# Altium PCB radxa_cm3s_io_board_V1510.PcbDoc (part 1 of 4) (continued)
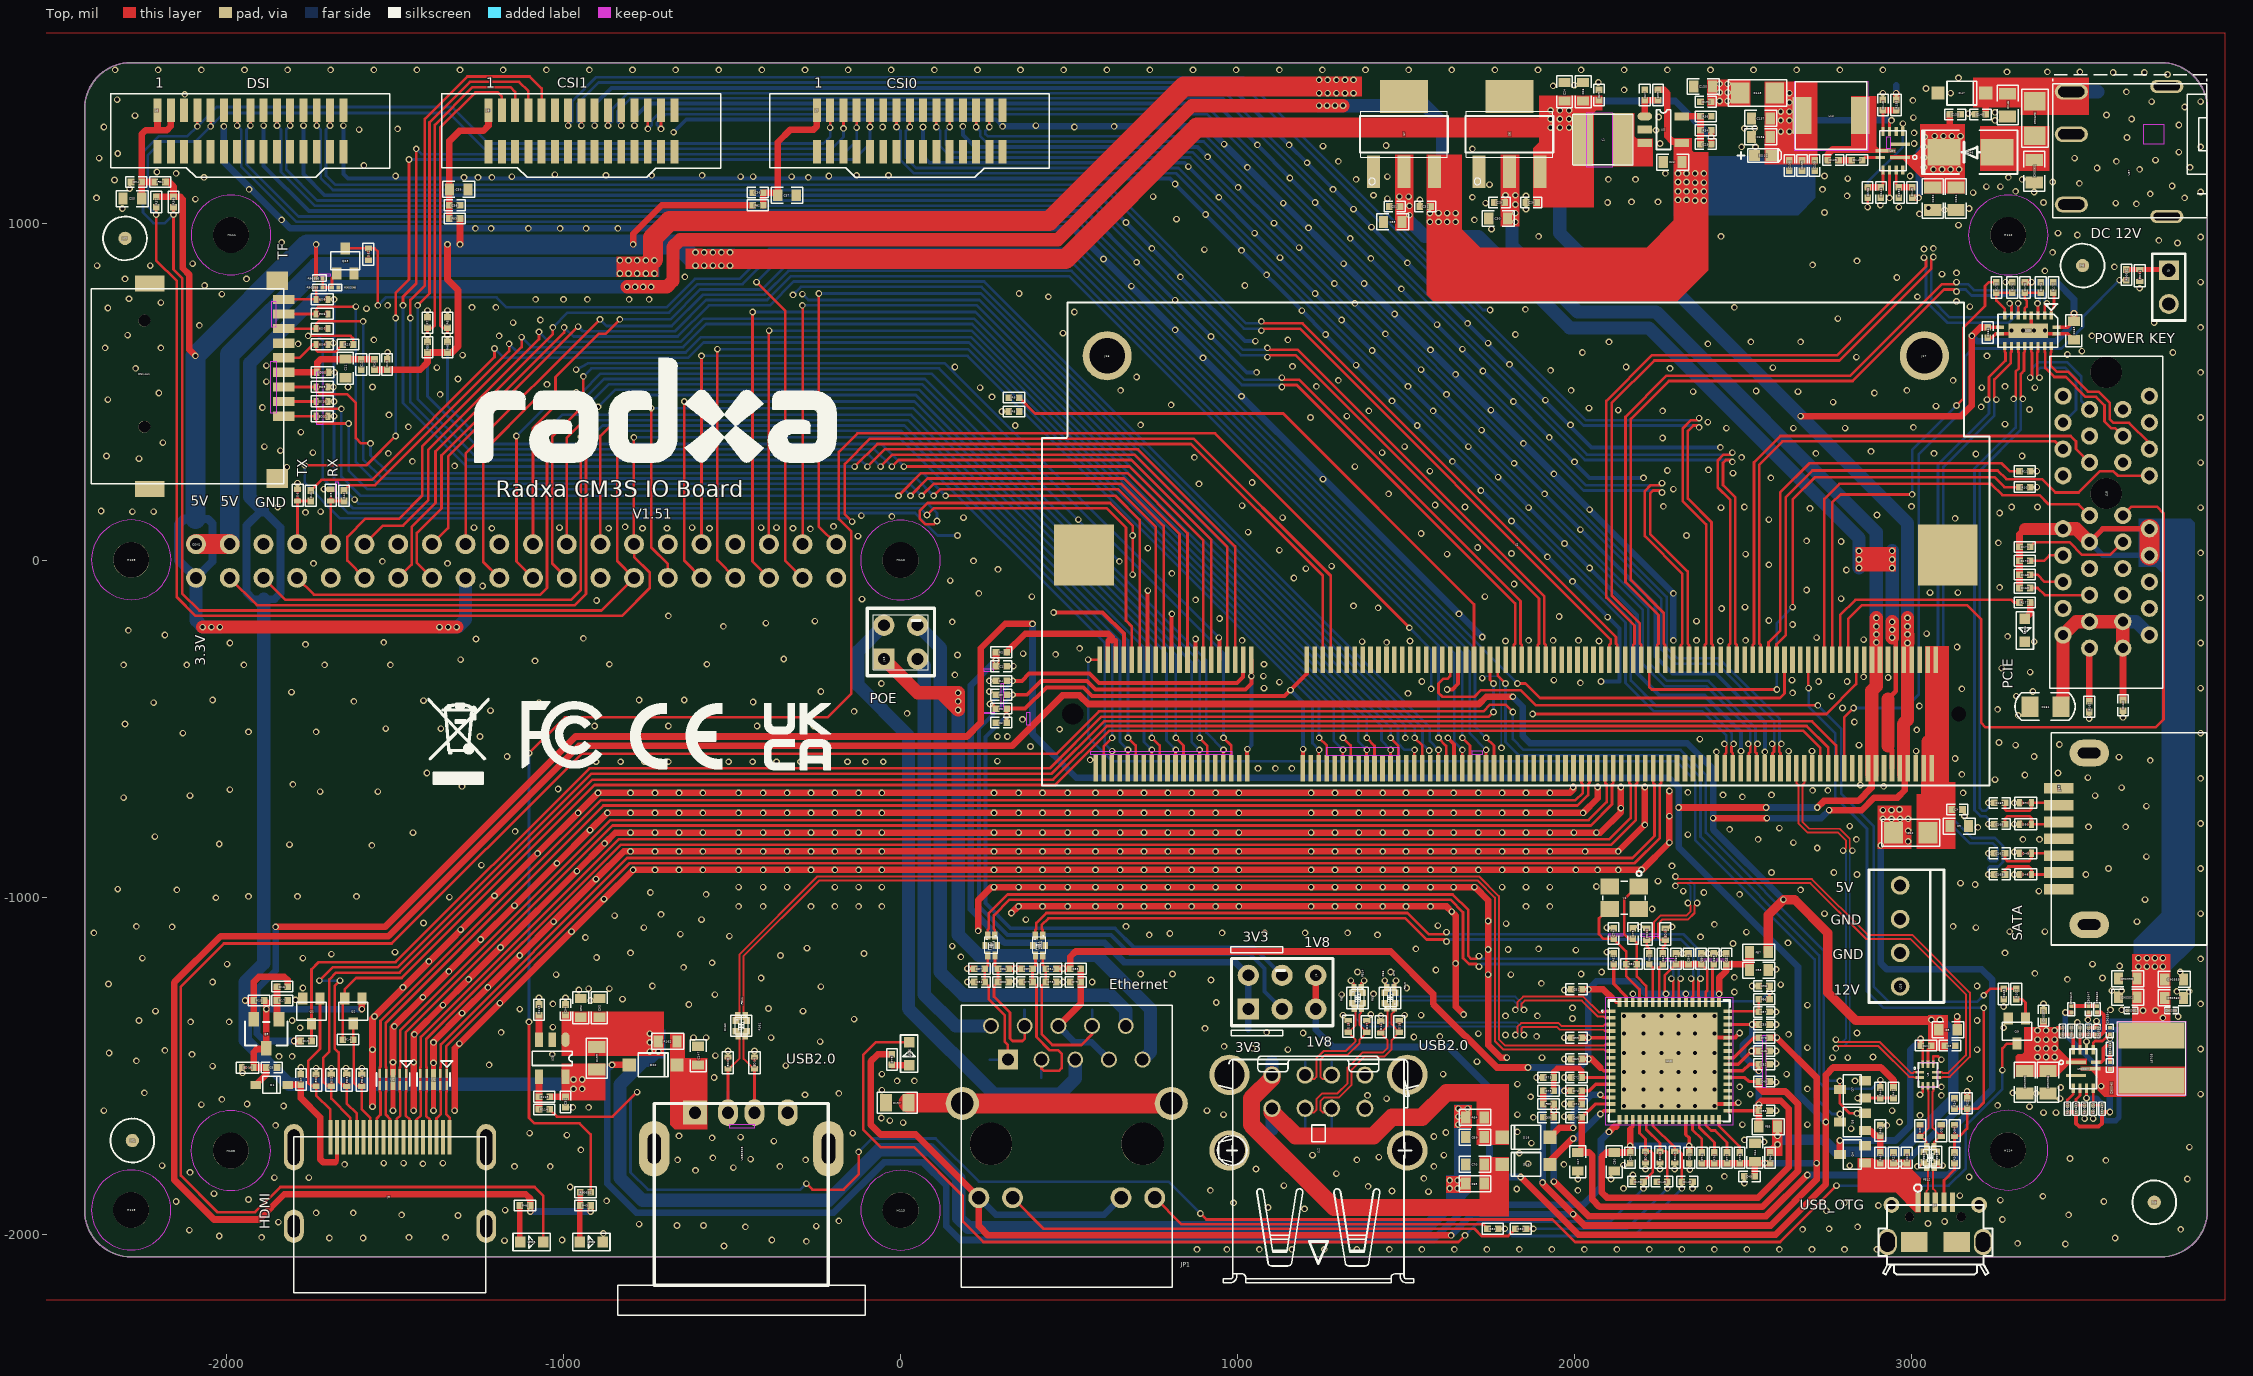
[diagram p0: Top view]
## Components (designator, comment, footprint, x,y, rotation, side; value= is the part's Value field where it differs from the comment) (continued)
C164 "C0402" C0402 3226.38,675.2 r270 top
C165 "C0402" C0402 3261.81,-720.47 r0 top
C166 "C0402" C0402 3261.81,-783.46 r0 top
C167 "C0402" C0402 3261.81,-870.08 r0 top
C168 "C0402" C0402 3261.81,-933.07 r0 top
C90345 "C0201" C0201 3588.58,-1500 r270 top
C90347 "C0201" C0201 3525.59,-1332.68 r90 top
C90350 "C0201" C0201 3551.18,-1397.64 r270 top
C90351 "C0201" C0201 3651.57,-1336.61 r180 top
C90352 "C0603" C0603 3641.73,-1297.24 r180 top
C90353 "C0603" C0603 3779.53,-1244.09 r0 top
C90354 "C0201" C0201 3588.58,-1397.64 r90 top
C90355 "C0805" C0805 3336.61,-1549.21 r270 top
C90356 "C0805" C0805 3405.51,-1549.21 r270 top
C90357 "C0402" C0402 3391.73,-1352.36 r90 top
C90358 "C0603" C0603 3641.73,-1242.13 r180 top
C90359 "C0201" C0201 3771.65,-1336.61 r0 top
C90360 "C0603" C0603 3779.53,-1299.21 r0 top
C90361 "C0805" C0805 3364.17,1153.54 r270 top
CN14A1 "TF-CKT01-009D" TF-CKT01-009D -2244.09,553.15 r180 top
CON1 "DIP40PIN_2D54MM" DIP40PIN_2D54MM -2090.55,47.24 r0 top
D1 "SOD_323" SOD_323 -1866.14,-1557.09 r0 top
D2 "ESD0402_1XD5" ESD0402_1XD5 3088.58,-1692.91 r270 top
D3 "ESD0402_1XD5" ESD0402_1XD5 3025.59,-1692.91 r270 top
D5 "ESD0402_1XD5" ESD0402_1XD5 -1690.94,192.91 r270 top
D6 "ESD0402_1XD5" ESD0402_1XD5 -1789.37,192.91 r270 top
D14 "ESD0402_1XD5" ESD0402_1XD5 1425.2,-1385.83 r90 top
D15 "ESD0402_1XD5" ESD0402_1XD5 1328.74,-1383.86 r90 top
D16 "ESD0402_1XD5" ESD0402_1XD5 1480.32,-1383.86 r270 top
D17 "ESD0402_1XD5" ESD0402_1XD5 1383.86,-1383.86 r270 top
D18 "SOD_123" SOD_123 1856.3,-1712.6 r180 top
D19 "SOD_123" SOD_123 1856.3,-1793.31 r180 top
D20 "SOD_123" SOD_123 -734.25,-1498.03 r0 top
D46 "DO_214AC" DO_214AC 3175.2,1210.63 r180 top
D47 "SOD_123" SOD_123 3149.61,1385.83 r0 top
D48 "ESD0402_1XD5" ESD0402_1XD5 3338.58,-933.07 r0 top
D49 "ESD0402_1XD5" ESD0402_1XD5 3338.58,-870.08 r0 top
D50 "ESD0402_1XD5" ESD0402_1XD5 3338.58,-783.46 r0 top
D51 "ESD0402_1XD5" ESD0402_1XD5 3338.58,-720.47 r0 top
D52 "ESD0402_1XD5" ESD0402_1XD5 -1578.74,907.48 r90 top
D53 "ESD0402_1XD5" ESD0402_1XD5 -1714.57,557.09 r180 top
D54 "ESD0402_1XD5" ESD0402_1XD5 3127.95,-1692.91 r270 top
ED1 "ESD0402_1XD5" ESD0402_1XD5 -1734.25,-1543.31 r90 top
ED2 "ESD0402_1XD5" ESD0402_1XD5 -1688.98,-1543.31 r90 top
ED3 "ESD0402_1XD5" ESD0402_1XD5 -1643.7,-1543.31 r90 top
ED4 "ESD0402_1XD5" ESD0402_1XD5 -1598.43,-1543.31 r90 top
ED5 "ESD0402_1XD5" ESD0402_1XD5 -1716.54,773.62 r0 top
ED6 "ESD0402_1XD5" ESD0402_1XD5 -1716.54,730.32 r0 top
ED7 "ESD0402_1XD5" ESD0402_1XD5 -1716.54,687.01 r0 top
ED8 "ESD0402_1XD5" ESD0402_1XD5 -1716.54,639.76 r0 top
ED9 "ESD0402_1XD5" ESD0402_1XD5 -1716.54,513.78 r0 top
ED10 "ESD0402_1XD5" ESD0402_1XD5 -1716.54,470.47 r0 top
ED11 "ESD0402_1XD5" ESD0402_1XD5 -1716.54,427.17 r0 top
ED12 "ESD0402" ESD0402 2559.06,1200.79 r180 top
ED13 "ESD0402_1XD5" ESD0402_1XD5 -511.81,-1492.13 r90 top
ED14 "ESD0402_1XD5" ESD0402_1XD5 -433.07,-1492.13 r90 top
ED15 "ESD0402_1XD5" ESD0402_1XD5 2297.24,-1771.65 r270 top
ED16 "ESD0402_1XD5" ESD0402_1XD5 2253.94,-1771.65 r270 top
ED17 "ESD0402_1XD5" ESD0402_1XD5 2210.63,-1771.65 r270 top
ED18 "ESD0402_1XD5" ESD0402_1XD5 -1937.01,-1505.91 r180 top
ED19 "ESD0402_1XD5" ESD0402_1XD5 2269.69,-1110.24 r90 top
ED20 "ESD0402_1XD5" ESD0402_1XD5 2214.57,-1110.24 r90 top
ED21 "ESD0402_1XD5" ESD0402_1XD5 3677.17,844.49 r270 top
FB1 "L0402" L0402 -2196.85,1122.05 r180 top
FB2 "L0402" L0402 -423.23,1053.15 r0 top
FB3 "L0402" L0402 -1322.83,1013.78 r180 top
FB4 "R0402" R0402 2580.71,-1773.62 r270 top
FB5 "R0603" R0603 2574.8,-1681.1 r180 top
FB6 "R0402" R0402 2562.99,-1303.15 r180 top
FB7 "R0603" R0603 2547.24,-1163.39 r180 top
FB8 "R0402" R0402 1923.23,-1614.17 r0 top
FB9 "GMDG-6PIN_ESD" GMDG-6PIN_ESD 269.69,-1143.7 r90 top
FB10 "GMDG-6PIN_ESD" GMDG-6PIN_ESD 411.42,-1143.7 r90 top
FB11 "GMDG-4PIN_ESD" GMDG-4PIN_ESD -482.28,-1407.48 r90 top
FB12 "GMDG-4PIN_ESD" GMDG-4PIN_ESD 3066.93,-1746.06 r270 top
FB13 "GMDG-4PIN_ESD" GMDG-4PIN_ESD 1464.57,-1273.62 r270 top
FB14 "GMDG-4PIN_ESD" GMDG-4PIN_ESD 1346.46,-1324.8 r90 top
H108 "HOLE_R6_2D7MM" HOLE_R6_2D7MM -1987.4,-1752.36 r0 top
H109 "HOLE_R6_2D7MM" HOLE_R6_2D7MM -2282.68,0.79 r0 top
H110 "HOLE_R6_2D7MM" HOLE_R6_2D7MM 0,0 r0 top
H111 "HOLE_R6_2D7MM" HOLE_R6_2D7MM -1986.61,964.96 r0 top
H112 "HOLE_R6_2D7MM" HOLE_R6_2D7MM 3287.4,964.57 r0 top
H113 "HOLE_R6_2D7MM" HOLE_R6_2D7MM 0.39,-1929.13 r0 top
H114 "HOLE_R6_2D7MM" HOLE_R6_2D7MM 3287.01,-1751.18 r0 top
H115 "HOLE_R6_2D7MM" HOLE_R6_2D7MM -2283.07,-1928.74 r0 top
J1 "CN-2D54-2X3" CN-2D54-2X3 1232.28,-1232.28 r90 top
J2 "FCI_10033853_CM" FCI_10033853_CM 1830.71,47.24 r180 top
J3 "HDMIA19S" HDMIA19S -1517.72,-1889.76 r180 top
J4 "MICRO_USB_NJ2" MICRO_USB_NJ2 3070.87,-1913.39 r0 top
J6 "FPC15PIN-1.0MM-LS" FPC15PIN-1.0MM-LS -2204.72,1334.65 r0 top
J7 "FPC15PIN-1.0MM-LS" FPC15PIN-1.0MM-LS -248.03,1334.65 r0 top
J8 "FPC15PIN-1.0MM-LS" FPC15PIN-1.0MM-LS -1222.44,1334.65 r0 top
J9 "DIP2PIN-2P54MM" DIP2PIN-2P54MM 3763.78,860.24 r0 top
J12 "USB_DUAL" USB_DUAL 1240.16,-1751.97 r90 top
J13 "DIP4PIN-2_54MM-2X2" DIP4PIN-2_54MM-2X2 -49.21,-293.31 r90 top
J16 "DIP_3D5X2D7MM" DIP_3D5X2D7MM 613.39,606.3 r0 top
J17 "DIP_3D5X2D7MM" DIP_3D5X2D7MM 3038.58,606.3 r0 top
J18 "PCIEX1_36PIN_DIP" PCIEX1_36PIN_DIP 3577.95,197.24 r90 top
J19 "SMD_SATA_7P_50_180" SMD_SATA_7P_50_180 3437.01,-677.17 r270 top
JP1 "LPJ0011HENL" LPJ0011HENL 718.5,-1732.28 r0 top
L1 "IND-4X4" IND-4X4 2084.65,1248.03 r180 top
L12 "IND-5020" IND-5020 2761.81,1318.9 r180 top
L8705 "IND-5X5" IND-5X5 3712.6,-1478.35 r90 top
LED1 "LED0603" LED0603 25.59,-1464.57 r90 top
LED2 "LED0603" LED0603 -917.32,-2023.62 r0 top
LED3 "LED0603" LED0603 -1094.49,-2023.62 r0 top
LED4 "LED0603" LED0603 3336.61,-208.66 r270 top
M1 "MARK" MARK -2279.53,-1722.44 r0 top
M2 "MARK" MARK -2279.53,-1722.44 r180 bottom
M3 "MARK" MARK 3720.47,-1905.51 r0 top
M4 "MARK" MARK 3720.47,-1905.51 r180 bottom
M5 "MARK" MARK 3507.87,874.02 r180 bottom
M6 "MARK" MARK 3507.87,874.02 r0 top
M7 "MARK" MARK -2301.18,954.72 r0 top
M8 "MARK" MARK -2301.18,954.72 r180 bottom
P4 "TP_0R70" TP_0R70 2954.72,1409.45 r90 bottom
P5 "TP_0R70" TP_0R70 3553.15,1389.76 r180 bottom
P6 "TP_0R70" TP_0R70 3553.15,1263.78 r180 bottom
P9 "T-1MM" T-1MM -610.24,-1578.74 r180 bottom
P10 "T-1MM" T-1MM -511.81,-1578.74 r180 bottom
P11 "T-1MM" T-1MM -433.07,-1578.74 r180 bottom
P12 "T-1MM" T-1MM -334.65,-1578.74 r180 bottom
P13 "TP_0R70" TP_0R70 1956.69,1295.28 r90 bottom
P14 "TP_0R70" TP_0R70 1801.18,1061.02 r90 bottom
P15 "TP_0R70" TP_0R70 1488.19,1049.21 r90 bottom
P16 "TP_0R70" TP_0R70 1031.5,-1391.73 r180 bottom
P17 "TP_0R70" TP_0R70 3025.59,-1789.37 r180 bottom
P18 "TP_0R70" TP_0R70 3088.58,-1789.37 r180 bottom
P19 "TP_0R70" TP_0R70 2862.2,-1596.46 r180 bottom
P20 "TP_0R70" TP_0R70 2862.2,-1641.73 r180 bottom
P21 "TP_0R70" TP_0R70 2787.4,-1667.32 r180 bottom
P22 "TP_0R70" TP_0R70 -1690.94,108.27 r180 bottom
P23 "TP_0R70" TP_0R70 -1789.37,108.27 r180 bottom
Q1 "SOT_323" SOT_323 -1748.03,-1338.58 r180 top
Q2 "SOT_323" SOT_323 -1623.78,-1338.24 r180 top
Q3 "SOT_23" SOT_23 -1881.89,-1405.51 r180 top
Q4 "SOT_323" SOT_323 2824.8,-1763.78 r90 top
Q7 "SOT_323" SOT_323 2824.8,-1570.87 r90 top
Q8 "SOT_323" SOT_323 2824.8,-1667.32 r90 top
Q9 "SOT_323" SOT_323 3312.99,-1397.64 r180 top
Q23 "SOT_323" SOT_323 -1647.64,887.8 r0 top
R3 "R0402" R0402 299.21,-273.62 r180 top
R4 "R0402" R0402 299.21,-358.27 r180 top
R5 "R0402" R0402 299.21,-440.94 r0 top
R6 "R0402" R0402 -1344.49,704.72 r270 top
R7 "R0402" R0402 -1403.54,704.72 r270 top
R8 "R0402" R0402 336.61,440.94 r0 top
R9 "R0402" R0402 336.61,482.28 r0 top
R10 "R0402" R0402 3336.61,216.54 r0 top
R11 "R0402" R0402 3336.61,263.78 r0 top
R12 "R1206" R1206 2998.03,-809.06 r0 top
R13 "R0402" R0402 -1763.78,-1427.17 r180 top
R14 "R0402" R0402 -1639.53,-1422.88 r0 top
R15 "R0402" R0402 -1903.54,-1307.09 r0 top
R16 "R0402" R0402 -1834.65,-1265.75 r0 top
R17 "R0402" R0402 -1834.65,-1307.09 r180 top
R18 "R0402" R0402 3037.4,-1771.65 r90 top
R19 "R0402" R0402 3074.8,-1771.65 r90 top
R20 "R0402" R0402 3127.95,-1773.62 r90 top
R21 "R0402" R0402 3043.31,-1440.94 r0 top
R22 "R0402" R0402 3165.35,-1612.2 r90 top
R23 "R0402" R0402 2946.85,-1773.62 r90 top
R24 "R0402" R0402 3127.95,-1612.2 r90 top
R25 "R0402" R0402 -1639.76,639.76 r180 top
R26 "R0402" R0402 -1561.02,580.71 r90 top
R34 "R0402" R0402 2389.76,1275.59 r180 top
R35 "R0402" R0402 2248.03,1379.92 r270 top
R36 "R0402" R0402 2389.76,1316.93 r0 top
R37 "R0402" R0402 -2208.66,1062.99 r90 top
R38 "R0402" R0402 -2157.48,1062.99 r90 top
R39 "R0402" R0402 -1403.54,631.89 r270 top
R40 "R0402" R0402 -1344.49,631.89 r270 top
R41 "R0402" R0402 -1750,190.94 r90 top
R42 "R0402" R0402 -1651.57,190.94 r90 top
R43 "R0402" R0402 -935.04,-1915.35 r180 top
R44 "R0402" R0402 2907.48,-1580.71 r270 top
R45 "R0402" R0402 2907.48,-1773.62 r270 top
R46 "R0402" R0402 -1114.17,-1915.35 r180 top
R47 "R0402" R0402 2946.85,-1580.71 r90 top
R48 "R0402" R0402 2907.48,-1692.91 r90 top
R61 "R0402" R0402 2222.44,-1183.07 r270 top
R62 "R0402" R0402 2116.14,-1183.07 r90 top
R63 "R0402" R0402 2261.81,-1183.07 r270 top
R64 "R0603" R0603 1704.72,-1653.54 r0 top
R65 "R0603" R0603 1704.72,-1850.39 r0 top
R66 "R0402" R0402 1437.01,-1299.21 r90 top
R67 "R0402" R0402 1340.55,-1299.21 r90 top
R68 "R0402" R0402 1372.05,-1299.21 r90 top
R69 "R0402" R0402 2413.39,-1183.07 r90 top
R70 "R0402" R0402 2562.99,-1417.32 r0 top
R71 "R0402" R0402 1468.5,-1299.21 r90 top
R72 "R0402" R0402 2005.91,-1574.8 r0 top
R73 "R0402" R0402 1923.23,-1574.8 r0 top
R74 "R0402" R0402 2377.95,-1773.62 r270 top
R75 "R0402" R0402 1923.23,-1535.43 r180 top
R76 "R0402" R0402 2415.35,-1773.62 r270 top
R77 "R0402" R0402 2452.76,-1773.62 r270 top
R78 "R0402" R0402 2490.16,-1773.62 r270 top
R79 "R0402" R0402 -25.59,-1482.28 r270 top
R80 "R0402" R0402 1840.55,-1984.25 r180 top
R81 "R0402" R0402 2169.29,-1198.82 r180 top
R82 "R0402" R0402 1757.87,-1984.25 r180 top
R83 "R0402" R0402 519.69,-1212.6 r180 top
R84 "R0402" R0402 446.85,-1212.6 r180 top
R85 "R0402" R0402 375.98,-1212.6 r0 top
R86 "R0402" R0402 305.12,-1212.6 r180 top
R87 "R0402" R0402 234.25,-1212.6 r0 top
R107 "R0402" R0402 3311.02,-1287.4 r90 top
R108 "R0402" R0402 3273.62,-1287.4 r270 top
R113 "R0402" R0402 -1057.09,-1592.52 r180 top
R114 "R0402" R0402 -1057.09,-1629.92 r0 top
R115 "R0402" R0402 -1072.83,-1334.65 r90 top
R147 "R0402" R0402 2838.58,1187.01 r180 top
R148 "R1206" R1206 2543.31,1385.83 r0 top
R149 "R0402" R0402 3001.97,1090.55 r270 top
R152 "R0402" R0402 2962.6,1090.55 r90 top
R155 "R0402" R0402 2954.72,1350.39 r270 top
R156 "R0402" R0402 2870.08,1090.55 r90 top
R157 "R0805" R0805 -9.84,-1610.24 r180 top
R159 "R0805" R0805 -901.57,-1478.35 r90 top
R160 "R0402" R0402 -488.19,-1381.89 r270 top
R161 "R0402" R0402 -456.69,-1381.89 r270 top
R162 "R0603" R0603 -690.96,-1427.93 r180 top
R167 "R0402" R0402 3527.56,-435.04 r270 top
R168 "R0402" R0402 3336.61,-82.68 r180 top
R169 "R0402" R0402 3336.61,-43.31 r180 top
R170 "R0402" R0402 3336.61,-1.97 r180 top
R171 "R0402" R0402 3336.61,39.37 r0 top
R172 "R0402" R0402 3421.26,809.06 r270 top
R173 "R0402" R0402 3336.61,809.06 r270 top
R174 "R0402" R0402 3383.86,809.06 r270 top
R175 "R0402" R0402 3251.97,809.06 r270 top
R176 "R0402" R0402 3299.21,809.06 r90 top
R177 "R0402" R0402 3336.61,-125.98 r0 top
R90396 "R0201" R0201 -1724.41,836.61 r180 top
R90398 "R0201" R0201 -1677.17,809.06 r0 top
R90399 "R0201" R0201 -1724.41,809.06 r0 top
R90616 "R0201" R0201 3588.58,-1450.79 r90 top
R90618 "R0201" R0201 3448.82,-1397.64 r90 top
R90619 "R0201" R0201 3474.41,-1332.68 r270 top
R90620 "R0201" R0201 3551.18,-1332.68 r90 top
R90621 "R0201" R0201 3525.59,-1397.64 r90 top
R90622 "R0201" R0201 3474.41,-1397.64 r90 top
R90624 "R0201" R0201 3500,-1397.64 r90 top
R90625 "R0201" R0201 3462.6,-1627.95 r90 top
R90626 "R0201" R0201 3539.37,-1627.95 r90 top
R90627 "R0201" R0201 3564.96,-1627.95 r90 top
R90628 "R0201" R0201 3488.19,-1627.95 r90 top
R90629 "R0201" R0201 3513.78,-1627.95 r90 top
R90630 "R1206" R1206 3366.14,1311.02 r90 top
R90631 "R0402" R0402 -935.04,-1875.98 r180 top
R90632 "R0402" R0402 3637.8,846.46 r270 top
TP8 "TP_0R70" TP_0R70 1200.79,-1688.98 r180 bottom
TP9 "TP_0R70" TP_0R70 1200.79,-1490.16 r180 bottom
TP10 "TP_0R70" TP_0R70 1279.53,-1688.98 r180 bottom
TP11 "TP_0R70" TP_0R70 1279.53,-1490.16 r180 bottom
TP13 "TP_0R70" TP_0R70 2633.86,1236.22 r90 bottom
TP14 "TP_0R70" TP_0R70 1102.36,-1688.98 r180 bottom
TP15 "TP_0R70" TP_0R70 1102.36,-1490.16 r180 bottom
TP16 "TP_0R70" TP_0R70 1377.95,-1688.98 r180 bottom
TP17 "TP_0R70" TP_0R70 1377.95,-1490.16 r180 bottom
TP18 "TP_0R70" TP_0R70 265.75,-1482.28 r180 bottom
TP19 "TP_0R70" TP_0R70 368.11,-1334.65 r180 bottom
TP20 "TP_0R70" TP_0R70 417.32,-1535.43 r180 bottom
TP21 "TP_0R70" TP_0R70 568.9,-1334.65 r180 bottom
U1 "SON10_2R50X1R00X0R50" SON10_2R50X1R00X0R50 -1385.83,-1541.34 r180 top
U2 "SON10_2R50X1R00X0R50" SON10_2R50X1R00X0R50 -1505.91,-1541.34 r180 top
U3 "UMLP-10" UMLP-10 3049.21,-1527.56 r270 top
U5 "SOT_23_5" SOT_23_5 2263.78,1277.56 r0 top
U6 "SOT-223" SOT-223 1807.09,1263.78 r270 top
U7 "SOT-223" SOT-223 1494.09,1263.78 r270 top
U10 "QFN-64_9X9" QFN-64_9X9 2281.5,-1486.22 r0 top
U18 "SOT_23_5" SOT_23_5 -1033.46,-1478.35 r270 top
U27 "QFN12_2R00X3R00X1R00" QFN12_2R00X3R00X1R00 2944.88,1214.57 r180 top
U28 "XIAO_4PIN_2D54" XIAO_4PIN_2D54 2966.54,-1265.75 r90 top
U37 "DC-044A" DC-044A 3875.98,1263.78 r90 top
U39 "QFN20-2D5X4D5" QFN20-2D5X4D5 3346.46,681.1 r180 top
U90007 "QFN12_2R00X3R00X1R00" QFN12_2R00X3R00X1R00 3509.84,-1509.84 r0 top
USB2503 "USB20A4_USB_AF_01_001" USB20A4_USB_AF_01_001 -472.44,-1639.76 r90 top
Y1 "CRY4_3R20X2R50X0R80" CRY4_3R20X2R50X0R80 2147.64,-1001.97 r180 top

## Footprints (in the part's own frame and the unit in brackets; to place one, negate y for a bottom-side part, rotate by r counter-clockwise, add the part's x,y. Pads: shape width x height; smd on the part's side, far side on the other; paste and mask are expansions set on the pad)
C0201 [mm]
  rect 0.3x0.3 smd: 1(-0.25,0) 2(0.25,0)
  silkscreen extent -0.5,-0.25 0.5,0.25
C0402 [mm]
  rect 0.5x0.5 smd: 1(-0.4,0) 2(0.4,0)
  silkscreen extent -0.8,-0.4 0.8,0.4
C0603 [mm]
  rect 0.7x0.9 smd: 1(-0.7,0) 2(0.7,0)
  silkscreen extent -1.2,-0.6 1.2,0.6
C0805 [mm]
  rect 0.9x1.3 smd: 1(-0.85,0) 2(0.85,0)
  silkscreen extent -1.5,-0.8 1.5,0.8
C1206 [mil]
  rect 50x60 smd mask+1.97: 1(-46,0) 2(46,0)
  silkscreen extent -88,-41 90,40
CN-2D54-2X3 [mil]
  rect 63x63 hole 35 mask+2: 1(-100,200)
  round 63 / inner round 50 / far side round 63 hole 35 mask+2: 2(0,200) 3(-100,100) 4(0,100) 5(-100,0) 6(0,0)
  silkscreen extent -150,-51 50,250
CRY4_3R20X2R50X0R80 [mm]
  rect 1.4x1.2 smd: 1(-1.1,-0.85) 2(1.1,-0.85) 3(1.1,0.85) 4(-1.1,0.85)
  silkscreen extent -1.6,-2.02 1.6,1.26
DC-044A [mm]
  oval 1.2x2.5 / inner oval 1.2x2.5 / far side oval 1.5x2.8 hole 0.787 slot 1.981 at 90 deg: 1(3.2,10.2) 2(-5.3,10.2) 3(0,10.2)
  oval 1x2.5 / inner oval 1x2.5 / far side oval 1.2x2.8 hole 0.6 slot 1.981 at 90 deg: 4(-6.2,3) 5(3.6,3)
  Top keep-out region: -0.759,4.741 0.741,4.741 0.741,3.241 -0.759,3.241 -0.759,4.741
  silkscreen extent -6.3,0 4.5,11.6
DIP2PIN-2P54MM [mm]
  rect 1.5x1.5 hole 1: 1(0,0)
  round 1.5 hole 1: 2(0,-2.54)
  silkscreen extent -1.25,-3.79 1.25,1.25
DIP4PIN-2_54MM-2X2 [mil]
  round 63 / inner round 50 / far side round 63 hole 35 mask+2: 1(100,-100) 2(100,0) 3(0,-100)
  rect 63x63 hole 35 mask+2: 4(0,0)
  silkscreen extent -50,-150 150,50
DIP40PIN_2D54MM [mm]
  round 1.5 / inner round 1.15 / far side round 1.5 hole 0.9: 1(0,-2.54) 2(0,0) 3(2.54,-2.54) 4(2.54,0) 5(5.08,-2.54) 6(5.08,0) 7(7.62,-2.54) 8(7.62,0) 9(10.16,-2.54) 10(10.16,0) 11(12.7,-2.54) 12(12.7,0) 13(15.24,-2.54) 14(15.24,0) 15(17.78,-2.54) 16(17.78,0) 17(20.32,-2.54) 18(20.32,0) 19(22.86,-2.54) 20(22.86,0) 21(25.4,-2.54) 22(25.4,0) 23(27.94,-2.54) 24(27.94,0) 25(30.48,-2.54) 26(30.48,0) 27(33.02,-2.54) 28(33.02,0) 29(35.56,-2.54) 30(35.56,0) 31(38.1,-2.54) 32(38.1,0) 33(40.64,-2.54) 34(40.64,0) 35(43.18,-2.54) 36(43.18,0) 37(45.72,-2.54) 38(45.72,0) 39(48.26,-2.54) 40(48.26,0)
DIP_3D5X2D7MM [mm]
  round 3.7 hole 2.7: 1(0,0)
DO_214AC [mm]
  rect 2.5x2 smd mask+0.05: 1(-2,0) 2(2,0)
  silkscreen extent -3.54,-1.65 3.68,1.65
ESD0402 [mil]
  rect 33.3x33.3 smd: 1(-25,0) 2(25,0)
  silkscreen extent -55,-20 75,20
ESD0402_1XD5 [mm]
  rect 0.4x0.55 smd: 1(-0.45,0) 2(0.45,0)
  Top region: 0.317,0.178 0.152,0.013 0.324,-0.159 0.324,0.165 0.317,0.165 0.317,0.178
  Top region: 0.368,0.279 0.095,0.006 0.375,-0.273 0.375,0.267 0.368,0.267 0.368,0.279
  Top region: -0.305,-0.165 -0.14,0 -0.311,0.171 -0.311,-0.152 -0.305,-0.152 -0.305,-0.165
  Top region: -0.356,-0.267 -0.083,0.006 -0.362,0.286 -0.362,-0.254 -0.356,-0.254 -0.356,-0.267
  Top lines w0.051: 0.508,-0.178 0.318,-0.178 ; -0.305,-0.178 -0.495,-0.178 ; 0.47,-0.14 0.279,-0.14 ; -0.267,-0.14 -0.457,-0.14 ; 0.445,-0.102 0.254,-0.102 ; -0.229,-0.102 -0.419,-0.102 ; 0.419,-0.076 0.229,-0.076 ; -0.203,-0.064 -0.394,-0.064 ; 0.394,-0.051 0.203,-0.051 ; -0.165,-0.038 -0.356,-0.038 ; 0.356,-0.025 0.165,-0.025 ; -0.14,-0.013 -0.33,-0.013 ; 0.33,0 0.14,0 ; -0.127,0.013 -0.318,0.013 ; 0.343,0.025 0.152,0.025 ; -0.152,0.038 -0.343,0.038 ; 0.368,0.051 0.178,0.051 ; -0.191,0.063 -0.381,0.063 ; 0.406,0.076 0.216,0.076 ; -0.216,0.089 -0.406,0.089 ; 0.432,0.114 0.241,0.114 ; -0.241,0.114 -0.432,0.114 ; 0.47,0.152 0.279,0.152 ; -0.267,0.152 -0.457,0.152 ; 0.508,0.191 0.317,0.191 ; -0.305,0.19 -0.495,0.19
  silkscreen extent -0.82,-0.41 0.85,0.42
FCI_10033853_CM [mm]
  rect 0.35x2 smd: 1(31.77,16.9) 2(31.47,8.7) 3(31.17,16.9) 4(30.87,8.7) 5(30.57,16.9) 6(30.27,8.7) 7(29.97,16.9) 8(29.67,8.7) 9(29.37,16.9) 10(29.07,8.7) 11(28.77,16.9) 12(28.47,8.7) 13(28.17,16.9) 14(27.87,8.7) 15(27.57,16.9) 16(27.27,8.7) 17(26.97,16.9) 18(26.67,8.7) 19(26.37,16.9) 20(26.07,8.7) 21(25.77,16.9) 22(25.47,8.7) 23(25.17,16.9) 24(24.87,8.7) 25(24.57,16.9) 26(24.27,8.7) 27(23.97,16.9) 28(23.67,8.7) 29(23.37,16.9) 30(23.07,8.7) 31(22.77,16.9) 32(22.47,8.7) 33(22.17,16.9) 34(21.87,8.7) 35(21.57,16.9) 36(21.27,8.7) 37(20.97,16.9) 38(20.67,8.7) 39(20.37,16.9) 40(20.07,8.7) 41(16.17,16.9) 42(15.87,8.7) 43(15.57,16.9) 44(15.27,8.7) 45(14.97,16.9) 46(14.67,8.7) 47(14.37,16.9) 48(14.07,8.7) 49(13.77,16.9) 50(13.47,8.7) 51(13.17,16.9) 52(12.87,8.7) 53(12.57,16.9) 54(12.27,8.7) 55(11.97,16.9) 56(11.67,8.7) 57(11.37,16.9) 58(11.07,8.7) 59(10.77,16.9) 60(10.47,8.7) 61(10.17,16.9) 62(9.87,8.7) 63(9.57,16.9) 64(9.27,8.7) 65(8.97,16.9) 66(8.67,8.7) 67(8.37,16.9) 68(8.07,8.7) 69(7.77,16.9) 70(7.47,8.7) 71(7.17,16.9) 72(6.87,8.7) 73(6.57,16.9) 74(6.27,8.7) 75(5.97,16.9) 76(5.67,8.7) 77(5.37,16.9) 78(5.07,8.7) 79(4.77,16.9) 80(4.47,8.7) 81(4.17,16.9) 82(3.87,8.7) 83(3.57,16.9) 84(3.27,8.7) 85(2.97,16.9) 86(2.67,8.7) 87(2.37,16.9) 88(2.07,8.7) 89(1.77,16.9) 90(1.47,8.7) 91(1.17,16.9) 92(0.87,8.7) 93(0.57,16.9) 94(0.27,8.7) 95(-0.03,16.9) 96(-0.33,8.7) 97(-0.63,16.9) 98(-0.93,8.7) 99(-1.23,16.9) 100(-1.53,8.7) 101(-1.83,16.9) 102(-2.13,8.7) 103(-2.43,16.9) 104(-2.73,8.7) 105(-3.03,16.9) 106(-3.33,8.7) 107(-3.63,16.9) 108(-3.93,8.7) 109(-4.23,16.9) 110(-4.53,8.7) 111(-4.83,16.9) 112(-5.13,8.7) 113(-5.43,16.9) 114(-5.73,8.7) 115(-6.03,16.9) 116(-6.33,8.7) 117(-6.63,16.9) 118(-6.93,8.7) 119(-7.23,16.9) 120(-7.53,8.7) 121(-7.83,16.9) 122(-8.13,8.7) 123(-8.43,16.9) 124(-8.73,8.7) 125(-9.03,16.9) 126(-9.33,8.7) 127(-9.63,16.9) 128(-9.93,8.7) 129(-10.23,16.9) 130(-10.53,8.7) 131(-10.83,16.9) 132(-11.13,8.7) 133(-11.43,16.9) 134(-11.73,8.7) 135(-12.03,16.9) 136(-12.33,8.7) 137(-12.63,16.9) 138(-12.93,8.7) 139(-13.23,16.9) 140(-13.53,8.7) 141(-13.83,16.9) 142(-14.13,8.7) 143(-14.43,16.9) 144(-14.73,8.7) 145(-15.03,16.9) 146(-15.33,8.7) 147(-15.63,16.9) 148(-15.93,8.7) 149(-16.23,16.9) 150(-16.53,8.7) 151(-16.83,16.9) 152(-17.13,8.7) 153(-17.43,16.9) 154(-17.73,8.7) 155(-18.03,16.9) 156(-18.33,8.7) 157(-18.63,16.9) 158(-18.93,8.7) 159(-19.23,16.9) 160(-19.53,8.7) 161(-19.83,16.9) 162(-20.13,8.7) 163(-20.43,16.9) 164(-20.73,8.7) 165(-21.03,16.9) 166(-21.33,8.7) 167(-21.63,16.9) 168(-21.93,8.7) 169(-22.23,16.9) 170(-22.53,8.7) 171(-22.83,16.9) 172(-23.13,8.7) 173(-23.43,16.9) 174(-23.73,8.7) 175(-24.03,16.9) 176(-24.33,8.7) 177(-24.63,16.9) 178(-24.93,8.7) 179(-25.23,16.9) 180(-25.53,8.7) 181(-25.83,16.9) 182(-26.13,8.7) 183(-26.43,16.9) 184(-26.73,8.7) 185(-27.03,16.9) 186(-27.33,8.7) 187(-27.63,16.9) 188(-27.93,8.7) 189(-28.23,16.9) 190(-28.53,8.7) 191(-28.83,16.9) 192(-29.13,8.7) 193(-29.43,16.9) 194(-29.73,8.7) 195(-30.03,16.9) 196(-30.33,8.7) 197(-30.63,16.9) 198(-30.93,8.7) 199(-31.23,16.9) 200(-31.53,8.7)
  rect 4.5x4.6 smd: 201(32.67,0.8) 202(-32.43,0.8)
  round 1 hole 2.4 unplated: 203(30.92,-14.2) 204(-30.68,-14.2)
  round 1 hole 1.6 unplated: 205(33.52,12.8)
  round 0.5 hole 1.1 unplated: 206(-33.28,12.8)
  silkscreen extent -35.58,-18.2 35.82,18.2
FPC15PIN-1.0MM-LS [mm]
  rect 0.6x1.775 smd: 1(0,0) 2(1,0) 3(2,0) 4(3,0) 5(4,0) 6(5,0) 7(6,0) 8(7,0) 9(8,0) 10(9,0) 11(10,0) 12(11,0) 13(12,0) 14(13,0) 15(14,0) 16(0,-3.125) 17(1,-3.125) 18(2,-3.125) 19(3,-3.125) 20(4,-3.125) 21(5,-3.125) 22(6,-3.125) 23(7,-3.125) 24(8,-3.125) 25(9,-3.125) 26(10,-3.125) 27(11,-3.125) 28(12,-3.125) 29(13,-3.125) 30(14,-3.125)
  silkscreen extent -3.57,-5.06 17.5,1.27
GMDG-4PIN_ESD [mm]
  rect 0.6x0.4 smd: 1(1.38,0.01) 2(-0.1,0) 3(-0.1,-0.55) 4(1.38,-0.54)
  silkscreen extent 0.04,-0.76 1.4,0.21
GMDG-6PIN_ESD [mm]
  rect 0.6x0.4 smd: 1(0.74,0.285) 2(-0.74,0.275) 3(-0.74,-0.275) 4(0.74,-0.265)
  rect 0.5x0.4 smd: 5(0,0.475) 6(0,-0.465)
  silkscreen extent -0.6,-0.49 0.76,0.49
HDMIA19S [mil]
  rect 11.81x102.36 smd: 1(-180,-177.5) 2(-160.31,-177.5) 3(-140.63,-177.5) 4(-120.94,-177.5) 5(-101.26,-177.5) 6(-81.57,-177.5) 7(-61.89,-177.5) 8(-42.2,-177.5) 9(-22.52,-177.5) 10(-2.83,-177.5) 11(16.85,-177.5) 12(36.54,-177.5) 13(56.22,-177.5) 14(75.91,-177.5) 15(95.59,-177.5) 16(115.28,-177.5) 17(134.96,-177.5) 18(154.65,-177.5) 19(174.33,-177.5)
  oval 59.06x137.8 hole 35 slot 106 at 90 deg: 20(282.6,-147.58) 21(-288.27,-147.58)
  oval 59.06x98.43 hole 35 slot 66 at 90 deg: 22(-288.27,87.07) 23(282.6,87.07)
  silkscreen extent -287,-178 283,284
HOLE_R6_2D7MM [mm]
  round 2.7 hole 2.7 unplated: 1(0,0)
  Top keep-out region: 3.003,0 2.774,1.149 2.123,2.123 1.149,2.774 0,3.003 0,3.003 -1.149,2.774 -2.123,2.123 -2.774,1.149 -3.003,0 -3.003,0 -2.774,-1.149 -2.123,-2.123 -1.149,-2.774 0,-3.003 0,-3.003 1.149,-2.774 2.123,-2.123 2.774,-1.149 3.003,0
  Bottom keep-out region: 3.003,0 2.774,1.149 2.123,2.123 1.149,2.774 0,3.003 0,3.003 -1.149,2.774 -2.123,2.123 -2.774,1.149 -3.003,0 -3.003,0 -2.774,-1.149 -2.123,-2.123 -1.149,-2.774 0,-3.003 0,-3.003 1.149,-2.774 2.123,-2.123 2.774,-1.149 3.003,0
IND-4X4 [mm]
  rect 1.5x4 smd mask+0.051: 1(-1.5,0) 2(1.5,0)
  silkscreen extent -2.29,-1.91 2.29,1.91
IND-5X5 [mm]
  rect 1.9x5 smd: 1(-1.7,0) 2(1.7,0)
  silkscreen extent -2.75,-2.57 2.75,2.57
IND-5020 [mm]
  rect 1.4x2.8 smd: 1(-2.2,0) 2(2.2,0)
  silkscreen extent -2.7,-2.55 2.7,2.55
L0402 [mm]
  rect 0.5x0.5 smd: 1(-0.4,0) 2(0.4,0)
  silkscreen extent -0.8,-0.4 0.8,0.4
LED0603 [mm]
  rect 0.8x0.8 smd: 1(-0.869,0.001) 2(0.869,-0.001)
  silkscreen extent -1.41,-0.65 1.41,0.65
LPJ0011HENL [mm]
  rect 1.5x1.5 / inner rect 1.575x1.575 / far side rect 1.575x1.575 hole 0.9: 1(-10.16,6.35)
  round 1.2 / inner round 1.5 / far side round 1.5 hole 0.9: 2(-8.89,8.89) 3(-7.62,6.35) 4(-6.35,8.89) 5(-5.08,6.35) 6(-3.81,8.89) 7(-2.54,6.35) 8(-1.27,8.89) 9(-11.43,8.89) 10(0,6.35)
  round 1.575 hole 1.016: 11(-12.345,-4.06) 12(-9.805,-4.06) 13(-1.625,-4.06) 14(0.915,-4.06)
  round 2.5 hole 1.7: 15(-13.59,3.05) 16(2.16,3.05)
  round 3.2 hole 3.2: 17(-11.43,0) 18(0,0)
  silkscreen extent -13.68,-10.8 2.25,10.45
MARK [mm]
  round 1 smd: 1(0,0)
  silkscreen extent -1.65,-1.65 1.65,1.65
MICRO_USB_NJ2 [mm]
  rect 0.4x1.5 smd: 1(-1.3,0.2) 2(-0.65,0.2) 3(0,0.2) 4(0.65,0.2) 5(1.3,0.2)
  rrect100% 1.2x1.2 hole 0.7: 6(-3.3,0) 7(3.3,0)
  oval 1.4x2 hole 1.1 slot 1.5 at 90 deg: 8(-3.6,-2.8) 9(3.6,-2.8)
  rect 2x1.5 smd: 10(-1.6,-2.8) 11(1.6,-2.8)
  round 0.7 hole 0.7 unplated: 12(-1.95,-0.9) 13(1.95,-0.9)
  silkscreen extent -4.3,-5.28 4.3,1.55
PCIEX1_36PIN_DIP [mm]
  round 1.3 hole 0.75: A1(-11.65,1.25) A2(-10.65,3.25) A3(-9.65,1.25) A4(-8.65,3.25) A5(-7.65,1.25) A6(-6.65,3.25) A7(-5.65,1.25) A8(-4.65,3.25) A9(-3.65,1.25) A10(-2.65,3.25) A11(-1.65,1.25) A12(1.35,3.25) A13(2.35,1.25) A14(3.35,3.25) A15(4.35,1.25) A16(5.35,3.25) A17(6.35,1.25) A18(7.35,3.25) B1(-11.65,-1.25) B2(-10.65,-3.25) B3(-9.65,-1.25) B4(-8.65,-3.25) B5(-7.65,-1.25) B6(-6.65,-3.25) B7(-5.65,-1.25) B8(-4.65,-3.25) B9(-3.65,-1.25) B10(-2.65,-3.25) B11(-1.65,-1.25) B12(1.35,-3.25) B13(2.35,-1.25) B14(3.35,-3.25) B15(4.35,-1.25) B16(5.35,-3.25) B17(6.35,-1.25) B18(7.35,-3.25)
  round 2.35 hole 2.35: C1(0,0) C2(9.15,0)
  silkscreen extent -14.67,-4.25 10.35,4.25
QFN12_2R00X3R00X1R00 [mm]
  rect 1.5x0.25 smd: 1(-0.55,0.5) 2(-0.55,-0.5) 7(0.55,0)
  rect 0.25x0.7 smd: 3(-0.75,-1.45) 4(-0.25,-1.45) 5(0.25,-1.45) 6(0.75,-1.45) 9(0.75,1.45) 10(0.25,1.45) 11(-0.25,1.45) 12(-0.75,1.45)
  rect 0.7x0.25 smd: 8(0.95,0.5)
  silkscreen extent -1.81,-1.5 1,1.5
QFN20-2D5X4D5 [mm]
  rect 0.25x0.6 smd: 1(-1.74,-1.14) 2(-1.24,-1.14) 3(-0.74,-1.14) 4(-0.24,-1.14) 5(0.26,-1.14) 6(0.76,-1.14) 7(1.26,-1.14) 8(1.76,-1.14) 11(1.76,1.16) 12(1.26,1.16) 13(0.76,1.16) 14(0.26,1.16) 15(-0.24,1.16) 16(-0.74,1.16) 17(-1.24,1.16) 18(-1.74,1.16)
  rect 0.6x0.25 smd: 9(2.13,-0.25) 10(2.13,0.25) 19(-2.13,0.25) 20(-2.13,-0.25)
  rect 3x1.1 smd: 21(0,0)
  silkscreen extent -2.23,-2.01 2.27,1.26
QFN-64_9X9 [mm]
  rect 0.665x0.28 smd: 1(-4.407,3.75) 2(-4.407,3.25) 3(-4.407,2.75) 4(-4.407,2.25) 5(-4.407,1.75) 6(-4.407,1.25) 7(-4.407,0.75) 8(-4.407,0.25) 9(-4.407,-0.25) 10(-4.407,-0.75) 11(-4.407,-1.25) 12(-4.407,-1.75) 13(-4.407,-2.25) 14(-4.407,-2.75) 15(-4.407,-3.25) 16(-4.407,-3.75) 33(4.407,-3.75) 34(4.407,-3.25) 35(4.407,-2.75) 36(4.407,-2.25) 37(4.407,-1.75) 38(4.407,-1.25) 39(4.407,-0.75) 40(4.407,-0.25) 41(4.407,0.25) 42(4.407,0.75) 43(4.407,1.25) 44(4.407,1.75) 45(4.407,2.25) 46(4.407,2.75) 47(4.407,3.25) 48(4.407,3.75)
  rect 0.28x0.665 smd: 17(-3.75,-4.407) 18(-3.25,-4.407) 19(-2.75,-4.407) 20(-2.25,-4.407) 21(-1.75,-4.407) 22(-1.25,-4.407) 23(-0.75,-4.407) 24(-0.25,-4.407) 25(0.25,-4.407) 26(0.75,-4.407) 27(1.25,-4.407) 28(1.75,-4.407) 29(2.25,-4.407) 30(2.75,-4.407) 31(3.25,-4.407) 32(3.75,-4.407) 49(3.75,4.407) 50(3.25,4.407) 51(2.75,4.407) 52(2.25,4.407) 53(1.75,4.407) 54(1.25,4.407) 55(0.75,4.407) 56(0.25,4.407) 57(-0.25,4.407) 58(-0.75,4.407) 59(-1.25,4.407) 60(-1.75,4.407) 61(-2.25,4.407) 62(-2.75,4.407) 63(-3.25,4.407) 64(-3.75,4.407)
  rect 7.3x7.3 smd: 65(0,0)
  silkscreen extent -5.11,-4.58 4.58,4.58
R0201 [mm]
  rect 0.3x0.3 smd: 1(-0.25,0) 2(0.25,0)
  silkscreen extent -0.5,-0.25 0.5,0.25
R0402 [mm]
  rect 0.5x0.5 smd: 1(-0.4,0) 2(0.4,0)
  silkscreen extent -0.8,-0.4 0.8,0.4
R0603 [mm]
  rect 0.7x0.9 smd: 1(-0.7,0) 2(0.7,0)
  silkscreen extent -1.2,-0.6 1.2,0.6
R0805 [mm]
  rect 0.9x1.3 smd: 1(-0.85,0) 2(0.85,0)
  silkscreen extent -1.5,-0.8 1.5,0.8
R1206 [mm]
  rect 1.4x1.6 smd mask+0.05: 1(-1.3,0) 2(1.3,0)
  silkscreen extent -2.2,-1 2.2,1
SMD_SATA_7P_50_180 [mm]
  rect 0.8x2.2 smd: 1(0,0) 2(1.27,0) 3(2.54,0) 4(3.81,0) 5(5.08,0) 6(6.35,0) 7(7.62,0)
  oval 2x3 hole 0.8 slot 1.7 at 90 deg: 8(10.28,2.3) 9(-2.66,2.3)
  silkscreen extent -4.19,-0.57 11.81,11.16
SOD_123 [mm]
  rect 1x1 smd mask+0.05: 1(-1.8,0) 2(1.8,0)
  silkscreen extent -1.11,-0.9 1.13,0.9
SOD_323 [mm]
  rect 0.8x0.6 smd mask+0.05: 1(-1.2,0) 2(1.2,0)
  silkscreen extent -0.67,-0.65 0.64,0.65
SON10_2R50X1R00X0R50 [mm]
  rect 0.2x0.675 smd: 1(-1,-0.437) 2(-0.5,-0.437) 4(0.5,-0.437) 5(1,-0.437) 6(1,0.437) 7(0.5,0.437) 9(-0.5,0.437) 10(-1,0.437)
  rect 0.4x0.775 smd: 3(0,-0.388) 8(0,0.388)
  silkscreen extent -1.46,-1.39 1.25,0.5
SOT-223 [mm]
  rect 2.47x0.98 smd: 1(2.835,-2.3) 2(2.835,0) 3(2.835,2.3)
  rect 2.47x3.6 smd: 4(-2.835,0)
  silkscreen extent -1.75,-3.33 3.81,3.33
SOT_23 [mm]
  rect 0.8x1.1 smd: 1(-0.95,-1.1) 2(0.95,-1.1) 3(0,1.1)
  silkscreen extent -1.6,-0.9 1.6,0.9
SOT_23_5 [mm]
  oval 1.1x0.6 smd: 1(-1.4,1)
  rect 1.1x0.6 smd: 2(-1.4,0) 3(-1.4,-1) 4(1.4,-1) 5(1.4,1)
  silkscreen extent -0.52,-1.5 0.55,1.5
SOT_323 [mm]
  rect 0.7x0.9 smd: 1(-0.65,-0.95) 2(0.65,-0.95) 3(0,0.95)
  silkscreen extent -1.1,-0.67 1.1,0.67
T-1MM [mm]
  round 1 smd: 1(0,0)
  silkscreen extent -0.59,-0.59 0.59,0.59
TF-CKT01-009D [mm]
  rect 1.6x0.7 smd: 1(-10.516,3.2) 2(-10.516,2.1) 3(-10.516,1) 4(-10.516,-0.1) 5(-10.516,-1.2) 6(-10.516,-2.3) 7(-10.516,-3.4) 8(-10.516,-4.5) 9(-10.516,-5.6)
  rect 1.6x1.4 smd: 10(-10.016,-7) 13(-10.016,7.9)
  rect 2.2x1.2 smd: 11(-0.416,-6.8) 12(-0.416,8.7)
  round 0.9 hole 0.9 unplated: 14(0,4) 15(0,-4)
  silkscreen extent -10.52,-6.4 3.98,8.3
TP_0R70 [mm]
  round 0.7 smd: 1(0,0)
  silkscreen extent -0.45,-0.45 0.45,0.45
UMLP-10 [mil]
  rect 7.9x26.1 smd: 1(-7.9,-24.8) 2(7.9,-24.8) 6(7.9,24.8) 7(-7.9,24.8)
  rect 22.2x7.9 smd: 3(31.8,-15.7) 4(31.8,0) 5(31.8,15.8) 8(-31.8,15.8) 9(-31.8,0) 10(-31.8,-15.7)
  silkscreen extent -35,-42 35,28
USB20A4_USB_AF_01_001 [mm]
  rect 1.8x1.8 / inner round 1.2 / far side rect 1.8x1.8 hole 0.92 mask+0.05: 1(0,3.5)
  oval 2x1.5 / inner round 1.2 / far side oval 2x1.5 hole 0.92 mask+0.05: 2(0,1) 3(0,-1)
  oval 2x1.5 / inner rrect100% 1.2x1.2 / far side oval 2x1.5 hole 0.92 mask+0.05: 4(0,-3.5)
  oval 4.2x2.3 / inner oval 3x1.3 / far side oval 4.2x2.3 hole 1 slot 2.3 at 0 deg mask+0.05: 5(-2.71,6.57) 6(-2.71,-6.57)
  silkscreen extent -15.26,-9.34 0.69,9.33
USB_DUAL [mm]
  round 1.3 / inner round 0.9 / far side round 1.3 hole 0.9: 1(3.18,3.5) 2(3.18,1) 3(3.18,-1) 4(3.18,-3.5) 5(5.68,3.5) 6(5.68,1) 7(5.68,-1) 8(5.68,-3.5)
  round 3.048 / inner round 2.5 / far side round 3.048 hole 2.3: 9(0,6.7)
  round 3.048 / inner round 2.5 / far side round 3.048 hole 2.286: 10(0,-6.7) 11(5.7,6.7) 12(5.7,-6.7)
  silkscreen extent -9.97,-7.52 7.1,7.61
XIAO_4PIN_2D54 [mm]
  round 1.4 hole 0.9: 1(0.01,0) 2(2.55,0) 3(5.09,0) 4(7.63,0)
  silkscreen extent -1.19,-3.3 8.81,2.36

## Via types
v1: diameter 19.68, hole 11.81, Top to Bottom, 2024 vias

## Nets (pads, with @x,y where several pads share a name; then routed paths per layer and width w, separated by ;. In a path a pad name is that pad's centre, name@x,y a point inside that pad or via, vN(x,y) a via of type N, cw(c..) or ccw(c..) an arc to the next point about the centre after c; other vN are vias at no path point)
3V3: C1.1 J1.1 J1.2 P16.1 R3.2 | length 1876.2
  Top w19.68: C1.1@283.46,-314.96 v1(283.46,-297.24) R3.2@283.46,-273.62
  Bottom w7.87: J1.1@1031.5,-1332.28 J1.1@1032.28,-1332.28
  Bottom w19.68: v1(283.46,-297.24) 208.66,-372.05 208.66,-1035.43 309.06,-1135.83 606.3,-1135.83 663.39,-1192.91 992.91,-1192.91 J1.2@1032.28,-1232.28 1031.5,-1233.07 1031.5,-1332.28 P16.1@1031.5,-1391.73
3V3_A: C58.1 C59.1 C60.1 C61.1 C62.1 C63.1 C64.1 C65.1 FB7.2 R83.2 R84.1 R85.1 R86.1 R87.1 U10.5 U10.10 U10.49 U10.51 U10.54 U10.57 U10.64 | length 3666.5
  Top w7.87: v1(2271.65,-1287.4) 2267.72,-1283.46 2267.72,-1232.28 C65.1@2301.18,-1198.82 ; C60.1@2375.98,-1198.82 2393.7,-1216.54 2393.7,-1277.56 2389.77,-1281.5 U10.51@2389.77,-1312.7
  Top w9.84: v1(2041.34,-1417.32) U10.5@2107.98,-1417.32 ; 2076.77,-1505.91 2086.62,-1515.75 U10.10@2107.98,-1515.75 ; 2112.5,-1301.18 2124.02,-1312.7 U10.64@2133.86,-1312.7 ; U10.57@2271.66,-1312.7 v1(2271.65,-1287.4) ; U10.54@2330.71,-1312.7 v1(2330.71,-1287.4) ; U10.49@2429.14,-1312.7 v1(2429.13,-1287.4)
  Top w19.68: v1(198.82,-1212.6) R87.1@218.5,-1212.6 ; R86.1@320.87,-1212.6 v1(340.55,-1212.6) R85.1@360.24,-1212.6 ; R84.1@462.6,-1212.6 v1(482.28,-1212.6) R83.2@503.94,-1212.6 503.94,-1177.17 519.69,-1161.42 1454.72,-1161.42 1580.71,-1287.4 1580.71,-1316.93 1769.69,-1505.91 v1(1862.2,-1505.91) ; C63.1@2021.65,-1480.31 v1(2041.34,-1480.31) 2051.18,-1480.31 2076.77,-1505.91 ; C59.1@2021.65,-1417.32 v1(2041.34,-1417.32) ; C61.1@2021.65,-1273.62 v1(2041.34,-1273.62) 2084.94,-1273.62 2112.5,-1301.18 ; C65.1@2301.18,-1198.82 C60.1@2375.98,-1198.82 ; v1(2429.13,-1287.4) 2429.13,-1240.16 2450.79,-1218.5 C62.1@2450.79,-1198.82 C58.1@2519.69,-1198.82
  Top w27.56: C58.1@2519.69,-1216.54 2519.69,-1198.82 FB7.2@2519.69,-1163.39
  Bottom w19.68: v1(198.82,-1212.6) v1(340.55,-1212.6) v1(482.28,-1212.6) ; v1(1862.2,-1505.91) 2015.75,-1505.91 v1(2041.34,-1480.31) v1(2041.34,-1417.32) v1(2041.34,-1273.62) 2064.96,-1250 2175.2,-1250 2212.6,-1287.4 v1(2271.65,-1287.4) v1(2330.71,-1287.4) v1(2429.13,-1287.4)
3V3_IO: C50.1 C51.1 C52.1 C53.1 C54.1 C55.1 FB5.2 U10.19 U10.27 U10.33 U10.39 U10.46 | length 2098
  Top w9.84: U10.27@2330.71,-1659.74 2330.71,-1704.72 2340.55,-1714.57 v1(2340.55,-1738.19) ; U10.33@2455.02,-1633.86 2551.18,-1633.86 C55.1@2547.24,-1633.86 ; U10.39@2455.02,-1515.75 2500,-1515.75 2519.69,-1496.07 C52.1@2547.24,-1496.06 ; U10.46@2455.02,-1377.95 v1(2527.56,-1377.95)
  Top w10.04: 2165.35,-1688.97 2173.23,-1681.1 U10.19@2173.23,-1659.74
  Top w19.68: 2165.35,-1688.97 v1(2165.35,-1738.19) C54.1@2165.35,-1757.87 C50.1@2118.11,-1757.87 2094.49,-1757.87 2080.71,-1771.65 2080.71,-1875.98 2096.46,-1891.73 2545.28,-1891.73 2635.83,-1801.18 2635.83,-1627.95 2612.2,-1604.33 2555.12,-1604.33 2547.24,-1612.2 v1(2547.24,-1616.14) C55.1@2547.24,-1633.86 FB5.2@2547.24,-1681.1 ; C51.1@2340.55,-1757.87 v1(2340.55,-1738.19) ; v1(2527.56,-1377.95) C53.1@2547.24,-1377.95 ; v1(2547.24,-1515.75) C52.1@2547.24,-1496.06
  Bottom w19.68: v1(2165.35,-1738.19) v1(2340.55,-1738.19) ; v1(2527.56,-1377.95) 2527.56,-1411.42 2500,-1438.98 2500,-1468.5 v1(2547.24,-1515.75) v1(2547.24,-1616.14)
3V3_SD: C11.1 C12.1 CN14A1.4 D53.2 R26.2 | length 335
  Top w7.87: D53.2@-1732.28,557.09 D53.2@-1730.32,559.06
  Top w19.68: CN14A1.4@-1830.09,557.09 D53.2@-1730.32,557.09 ; R26.2@-1561.02,596.46 C12.1@-1600.39,596.46 C11.1@-1647.64,596.46 -1720.47,596.46 -1730.32,586.61 ; D53.2@-1730.32,557.09 -1730.32,559.06 -1730.32,586.61 ; D53.2@-1730.32,557.09 -1730.32,586.61
5V_IN: C4.1 C5.1 J2.197 J2.198 J2.199 J2.200 R12.2 | length 543.2
  Top w13.78: J2.198@3048.43,-295.28 3048.43,-354.33 3061.02,-354.33 3072.05,-354.33 J2.200@3072.05,-295.28
  Top w39.37: 3061.02,-354.33 3061.02,-527.56 3049.21,-539.37 3049.21,-700.79 3084.65,-736.22
5V_OUT: C130.1 C131.1 CON1.2 CON1.4 R148.1 U28.4 | length 4478.4
  Top w7.87: v1(-807.09,850.39) -787.4,870.08 -785.43,870.08 ; 1318.9,1405.51 v1(1318.9,1425.2)
  Top w59.06: CON1.2@-2090.55,47.24 CON1.4@-1990.55,47.24 ; -785.43,870.08 -753.94,870.08 ; -750,870.08 -753.94,870.08 ; 1338.58,1405.51 1318.9,1405.51 840.55,1405.51 440.94,1005.91 -685.04,1005.91 -734.25,956.69 -734.25,891.73 -753.94,872.05 -753.94,870.08
  Bottom w7.87: -748.03,870.08 -730.31,852.36 v1(-730.31,850.39)
  Bottom w59.06: CON1.4@-1990.55,47.24 -1990.55,609.84 -1730.31,870.08 -748.03,870.08
  other v1: -832.68,850.39 -781.5,850.39 -755.91,850.39 -832.68,889.76 -807.09,889.76 -781.5,889.76 -755.91,889.76 -730.31,889.76 2431.1,1362.2 2454.72,1362.2 1242.13,1385.83 1267.72,1385.83 1293.31,1385.83 1318.9,1385.83 1344.49,1385.83 2431.1,1387.8 2454.72,1387.8 2431.1,1413.39 2454.72,1413.39 1242.13,1425.2 1267.72,1425.2 1293.31,1425.2 1344.49,1425.2